# Altium PCB UltraZohm_Analog_ADS5272.PcbDoc (part 1 of 4)
Units mm, origin at the board's own origin, x right, y up, seen from the top; angles counter-clockwise.
Board outline 156.02 x 100.09 mm, 6 copper layers (Top Layer, AGND, VCC, GND, Signal 1, Bottom Layer), stack 1.58 mm thick; 321 components, 279 nets, 1409 pads, 548 vias.
Unrouted connection lines stored in the file: 181.
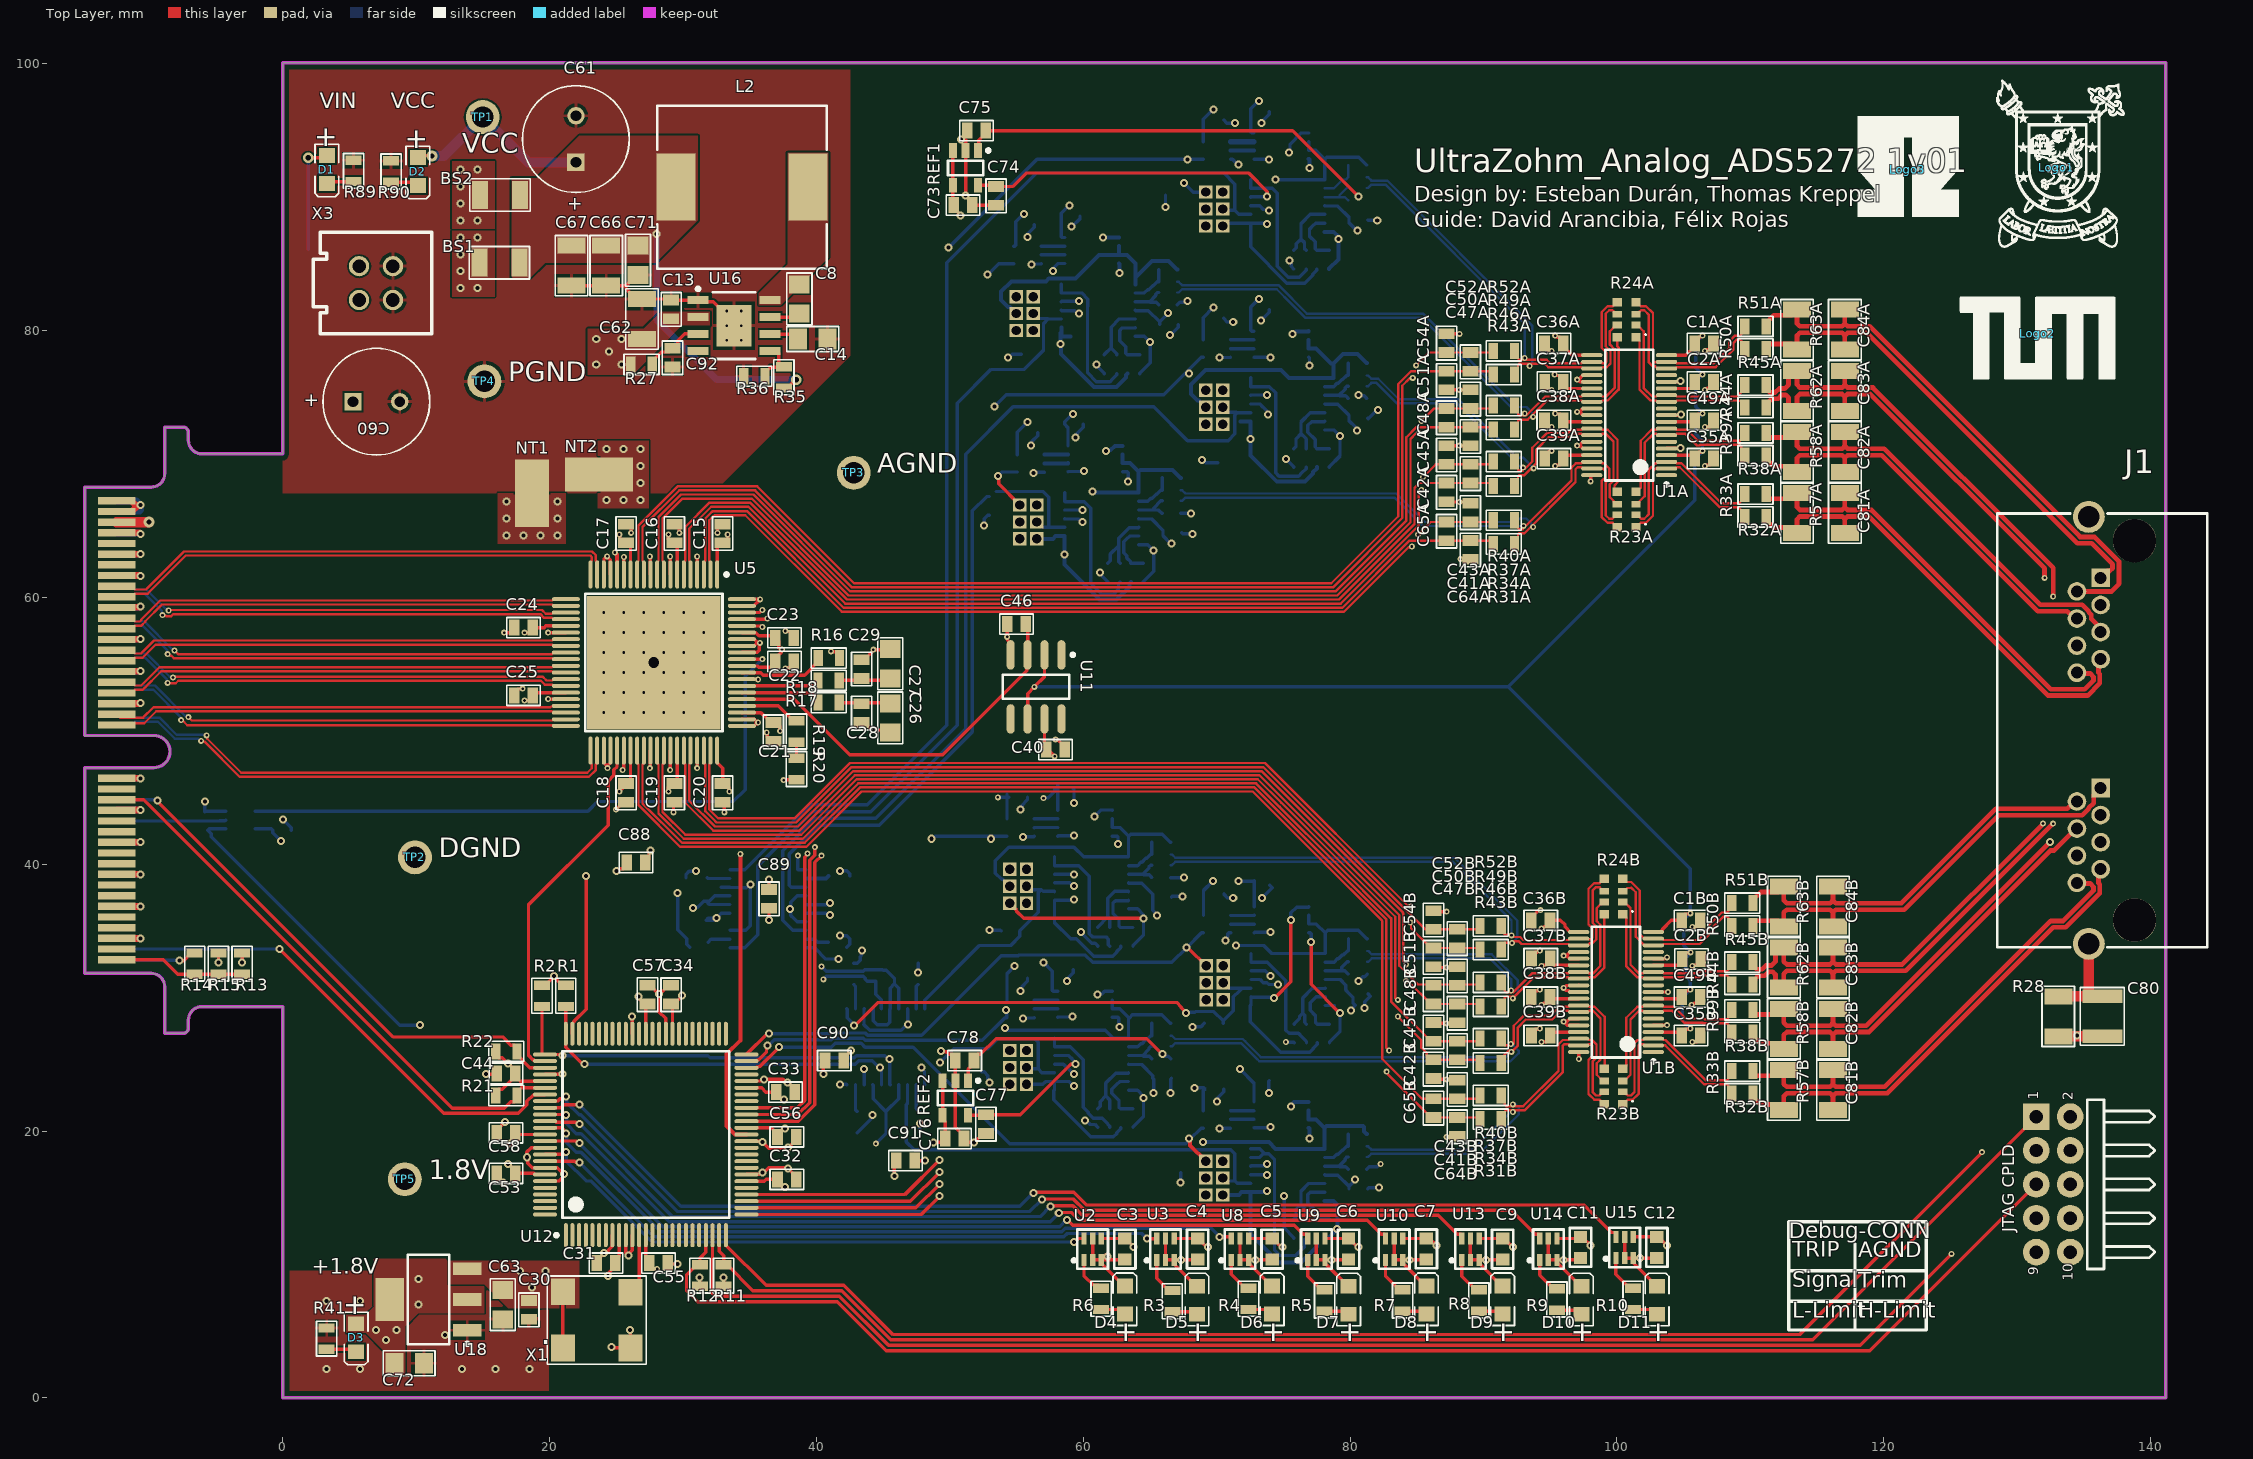
[diagram p0: Top Layer view]
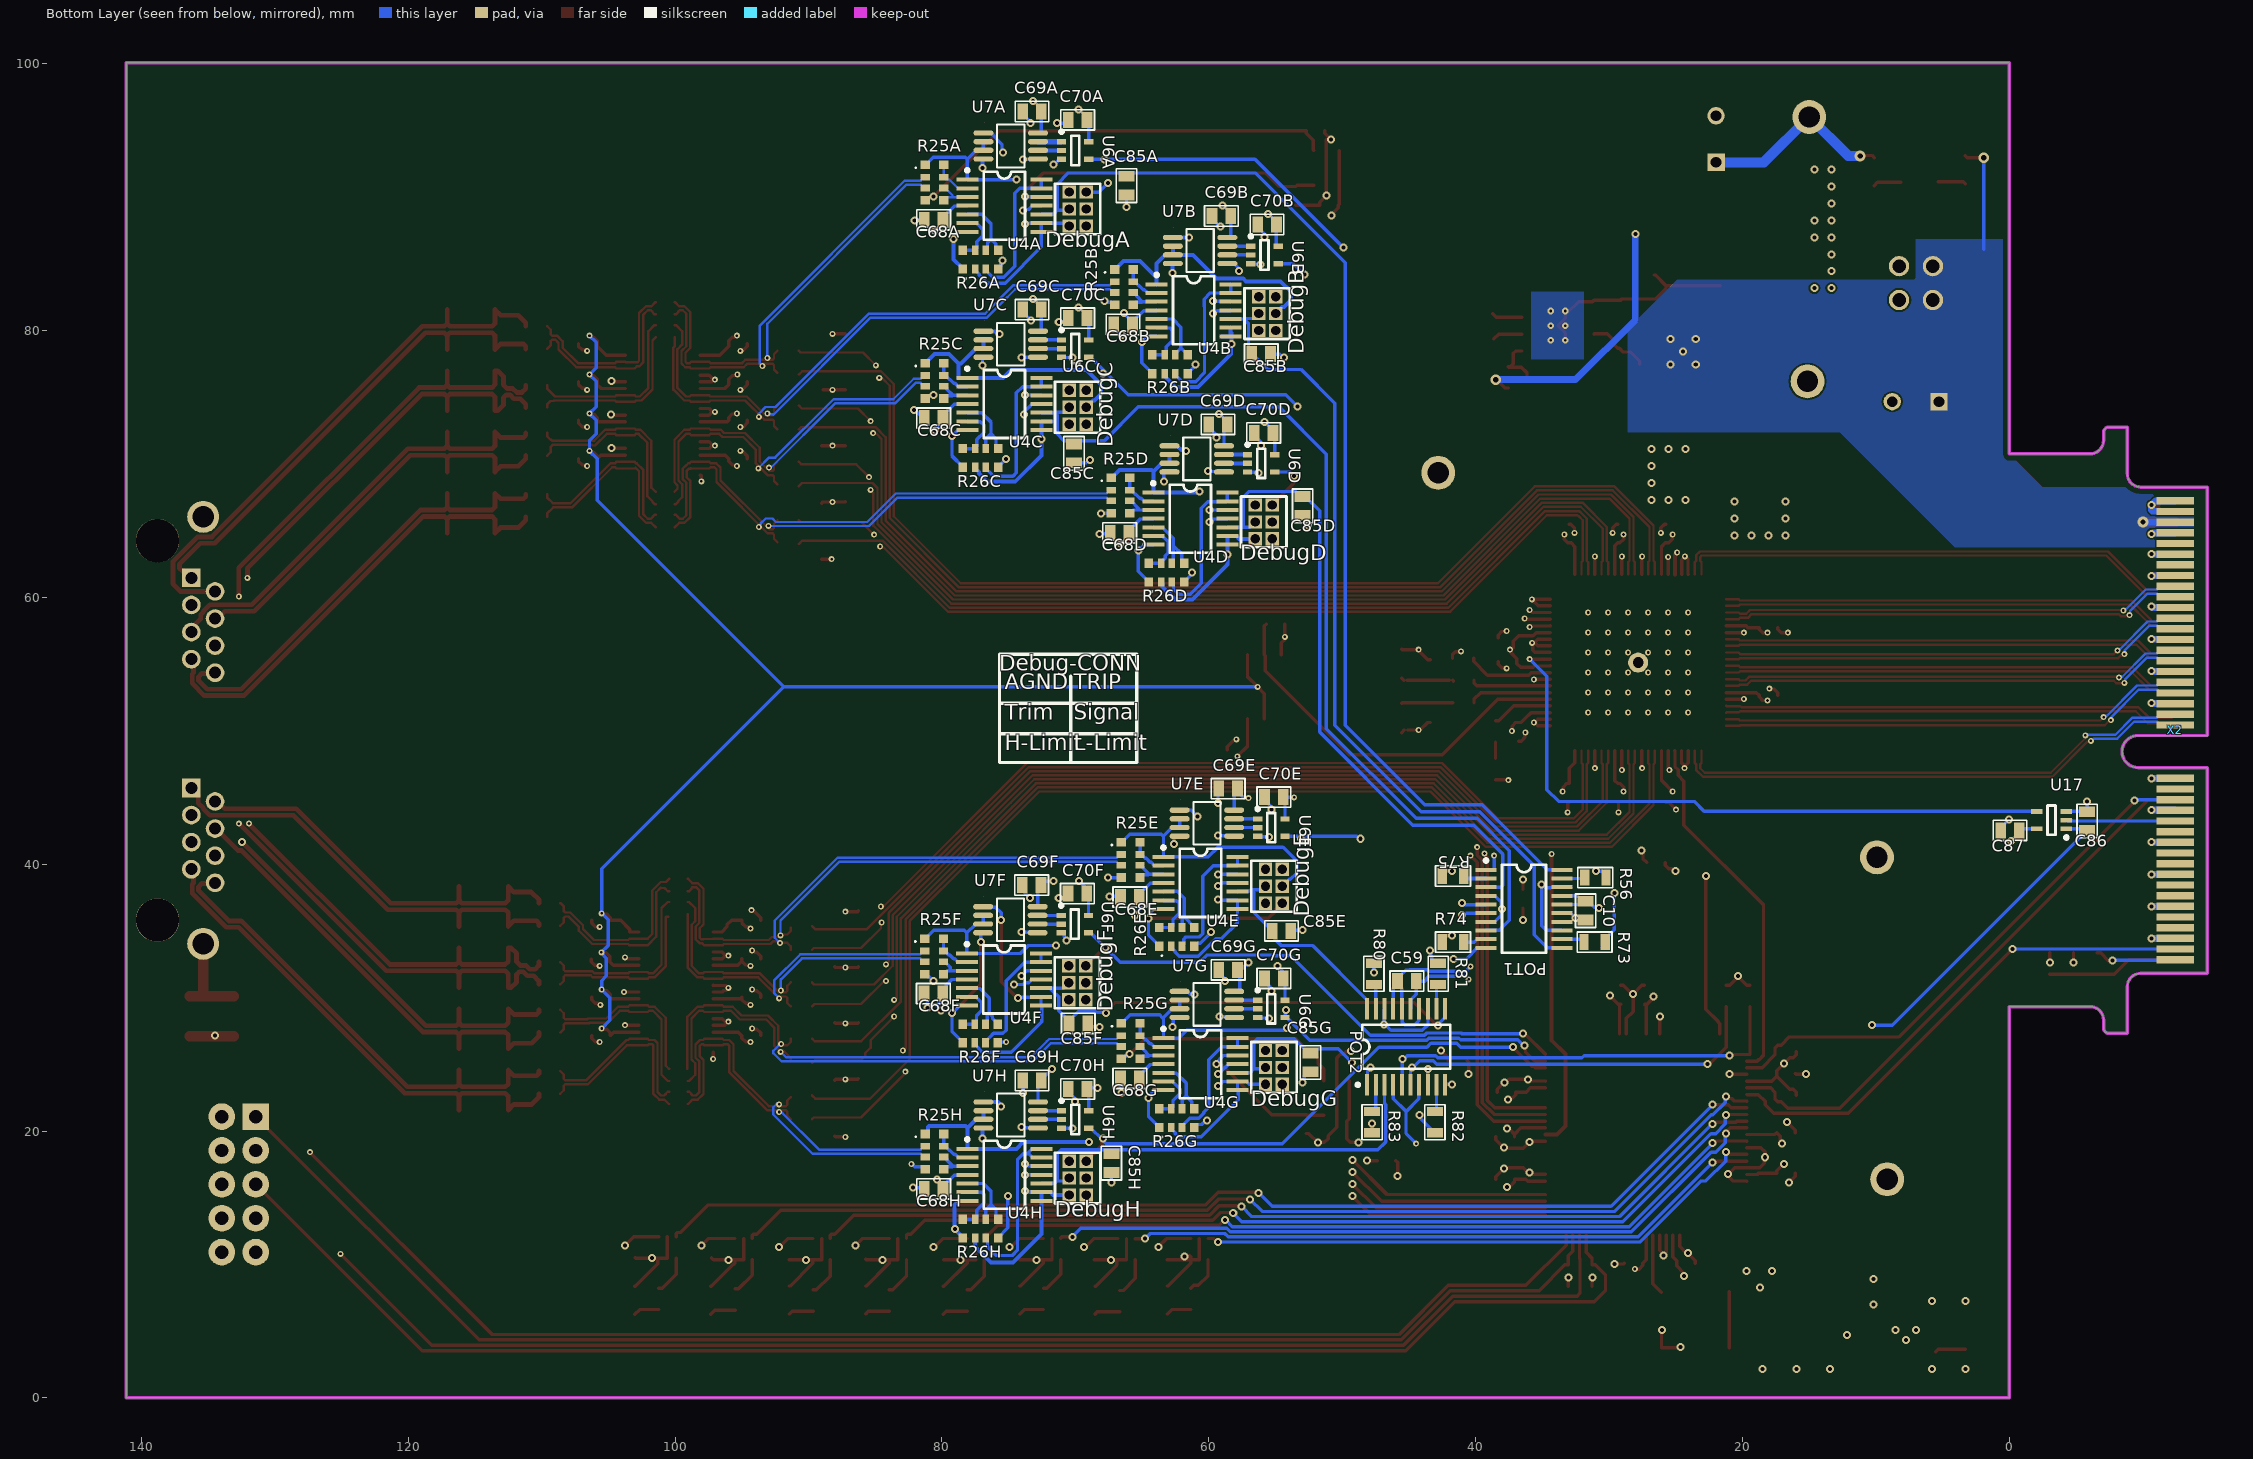
[diagram p1: Bottom Layer view, seen from below]
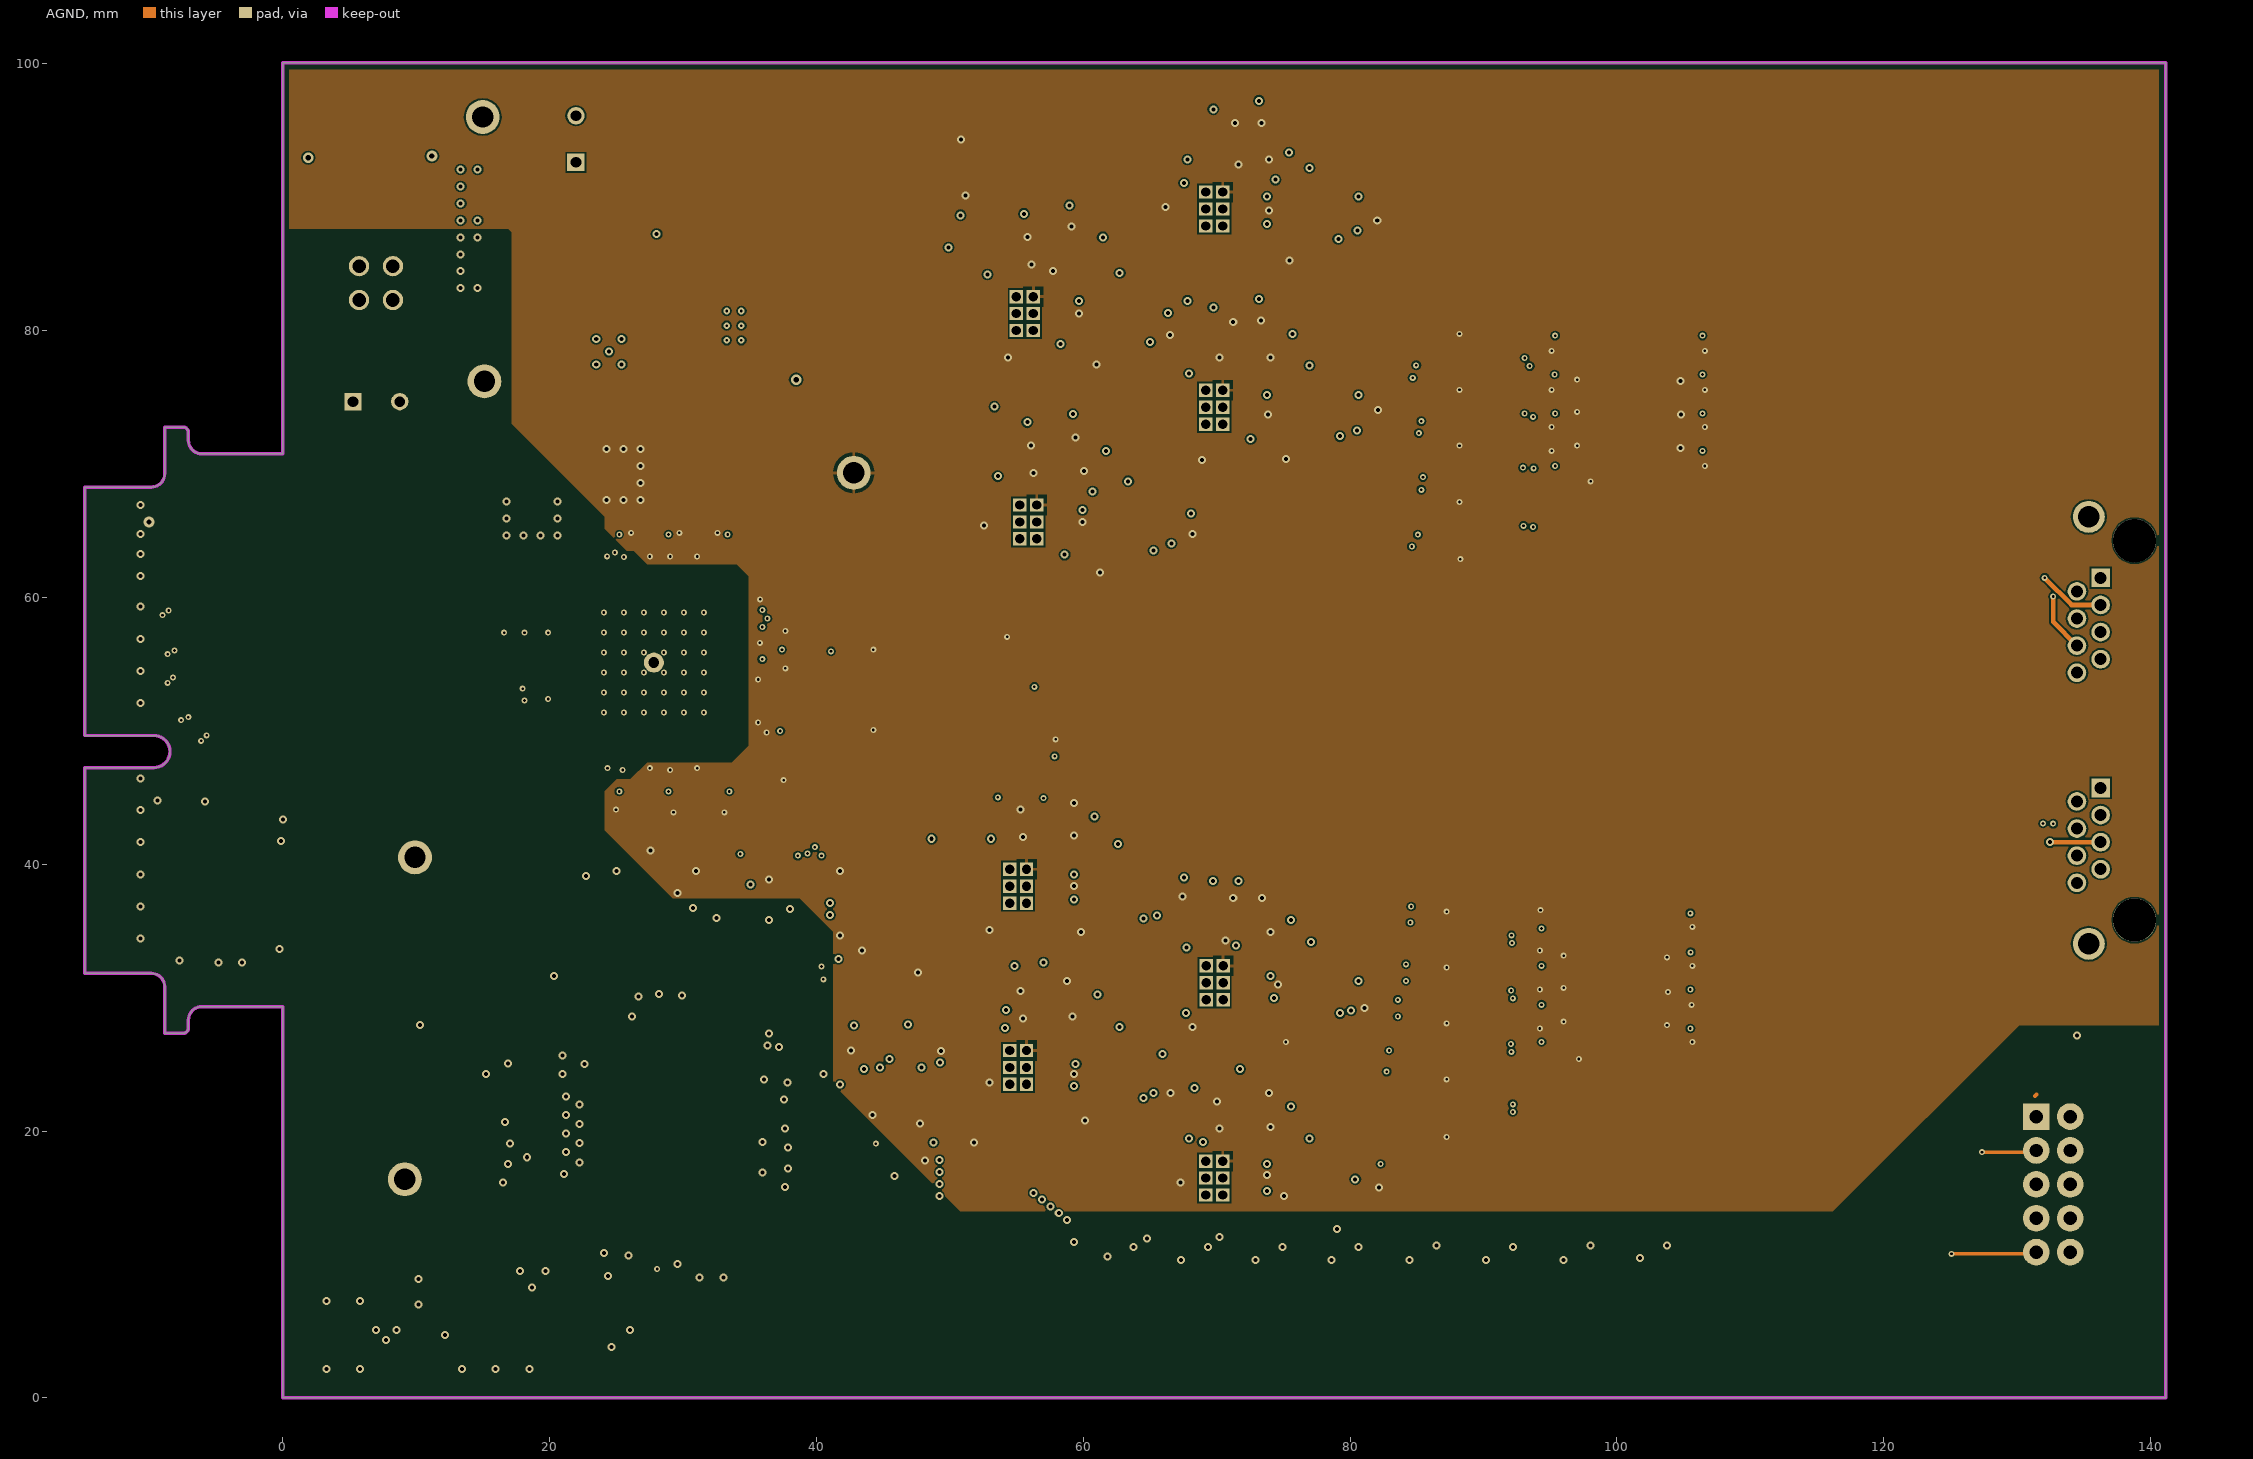
[diagram p2: AGND]
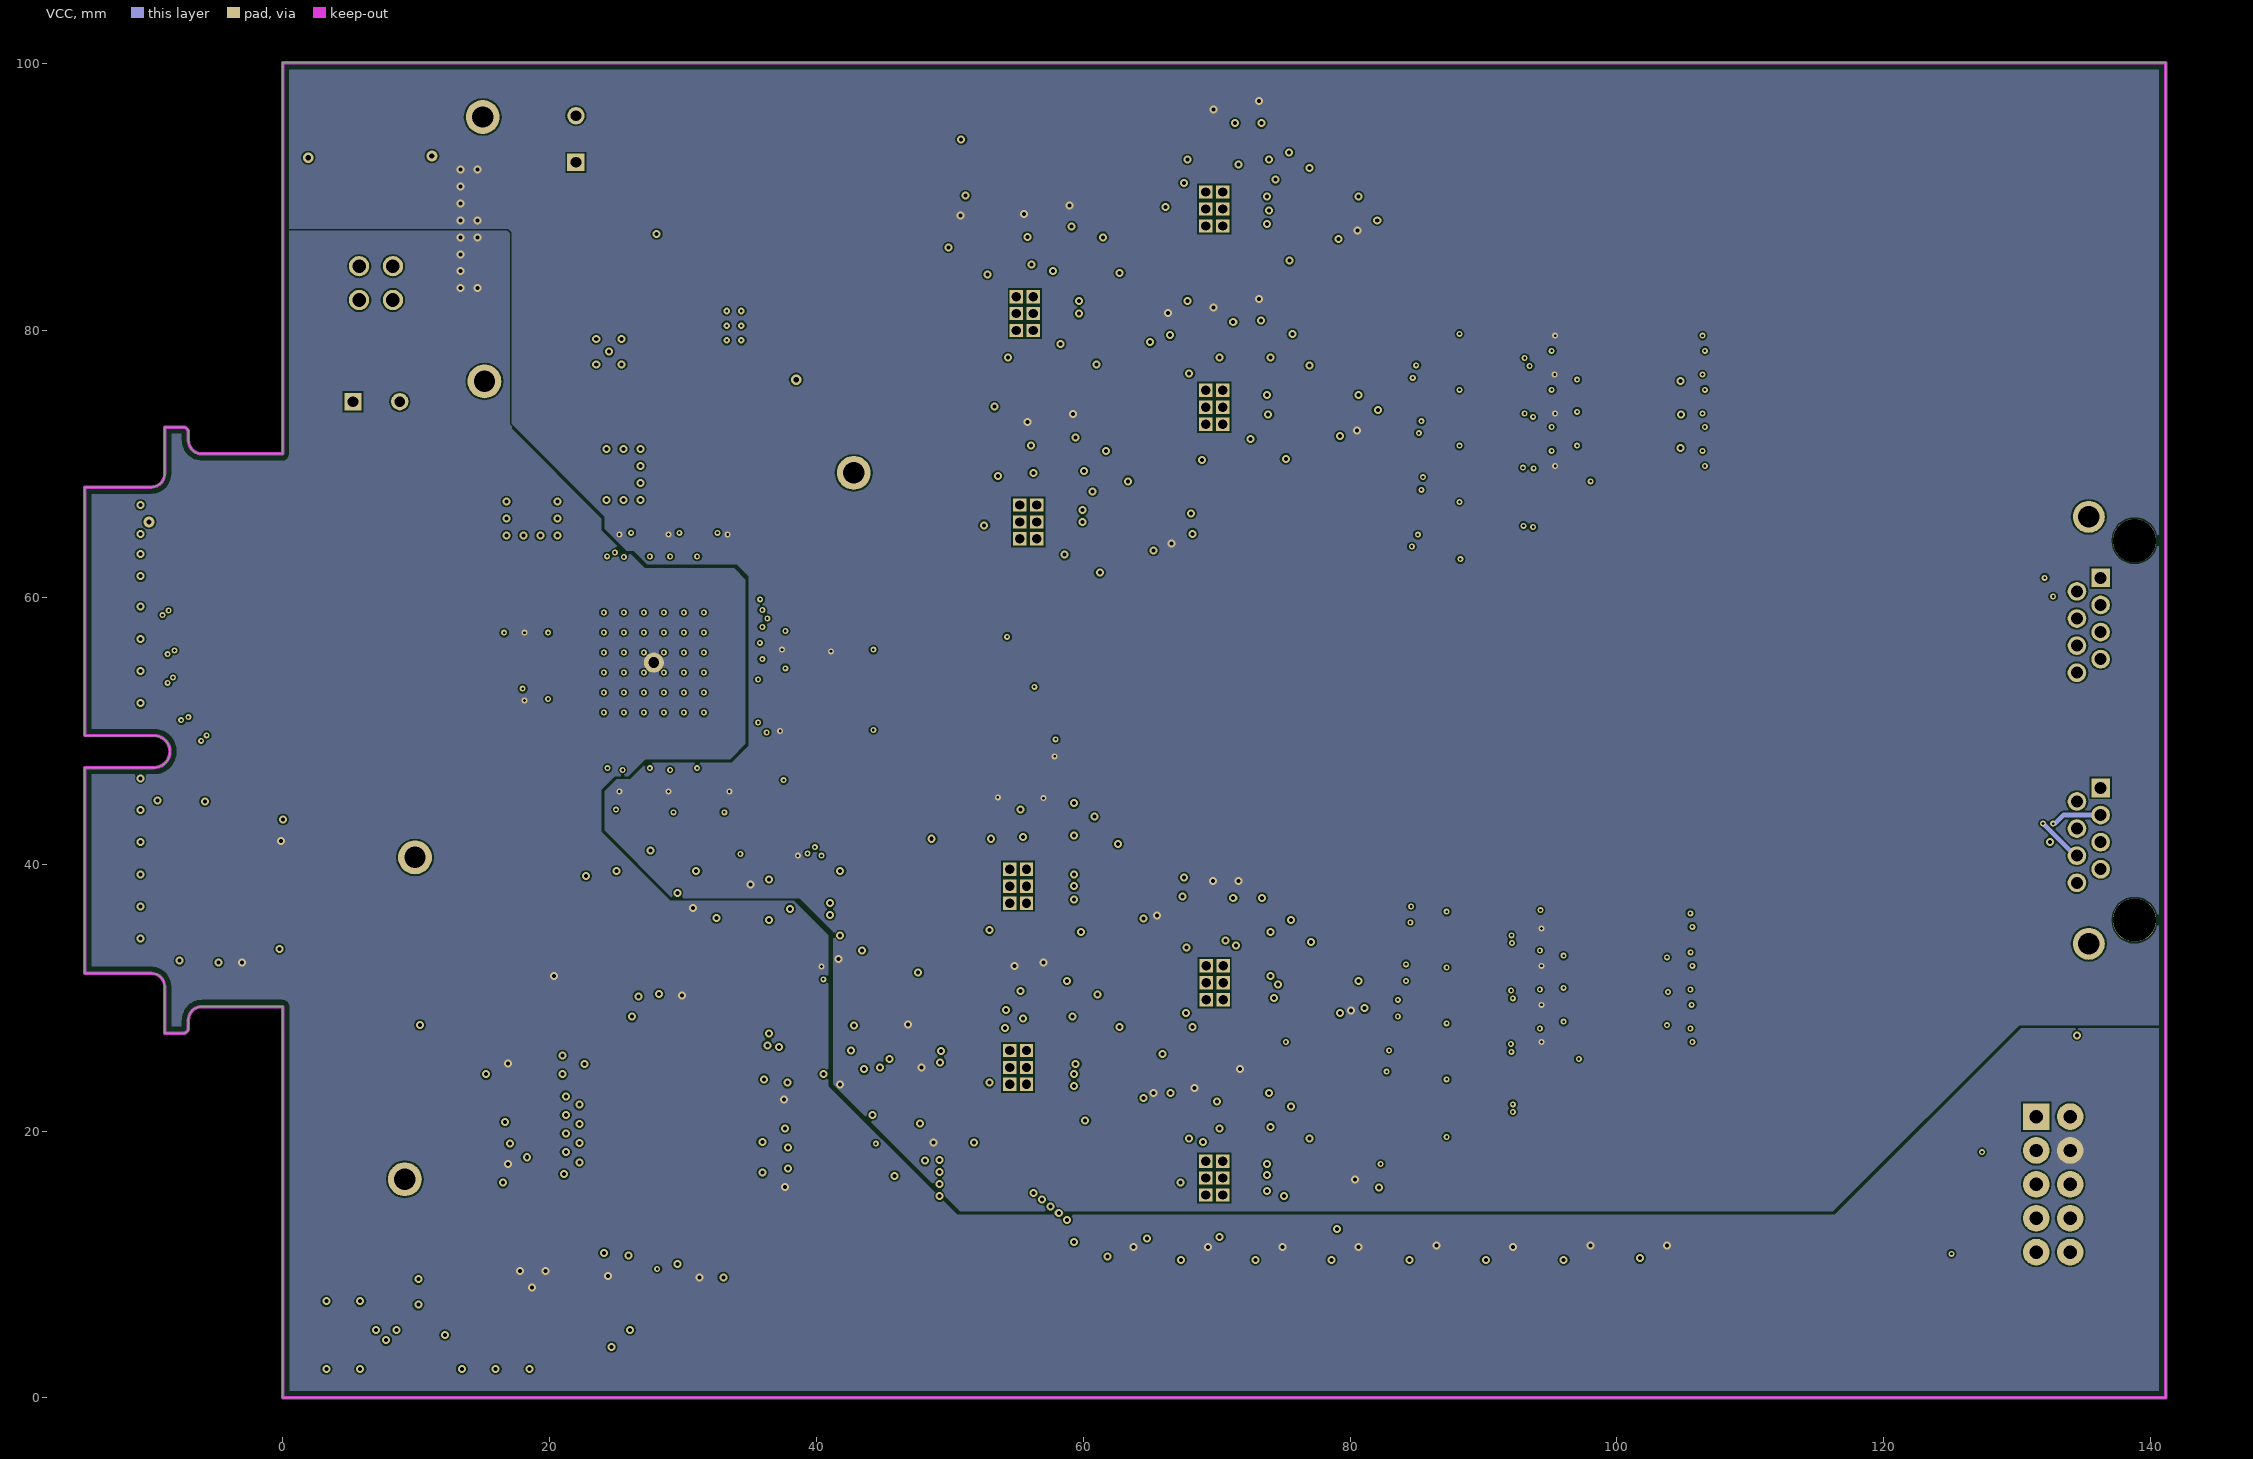
[diagram p3: VCC]